# Altium PCB 模型主控V1.PcbDoc (part 2 of 2)
Units mil, origin at the board's own origin, x right, y up, seen from the top; angles counter-clockwise.
Board outline 3317.16 x 1183.54 mil, 4 copper layers (Top Layer, Mid-Layer 1, Mid-Layer 2, Bottom Layer); 121 components, 112 nets, 459 pads, 155 vias.
Unrouted connection lines stored in the file: 38.
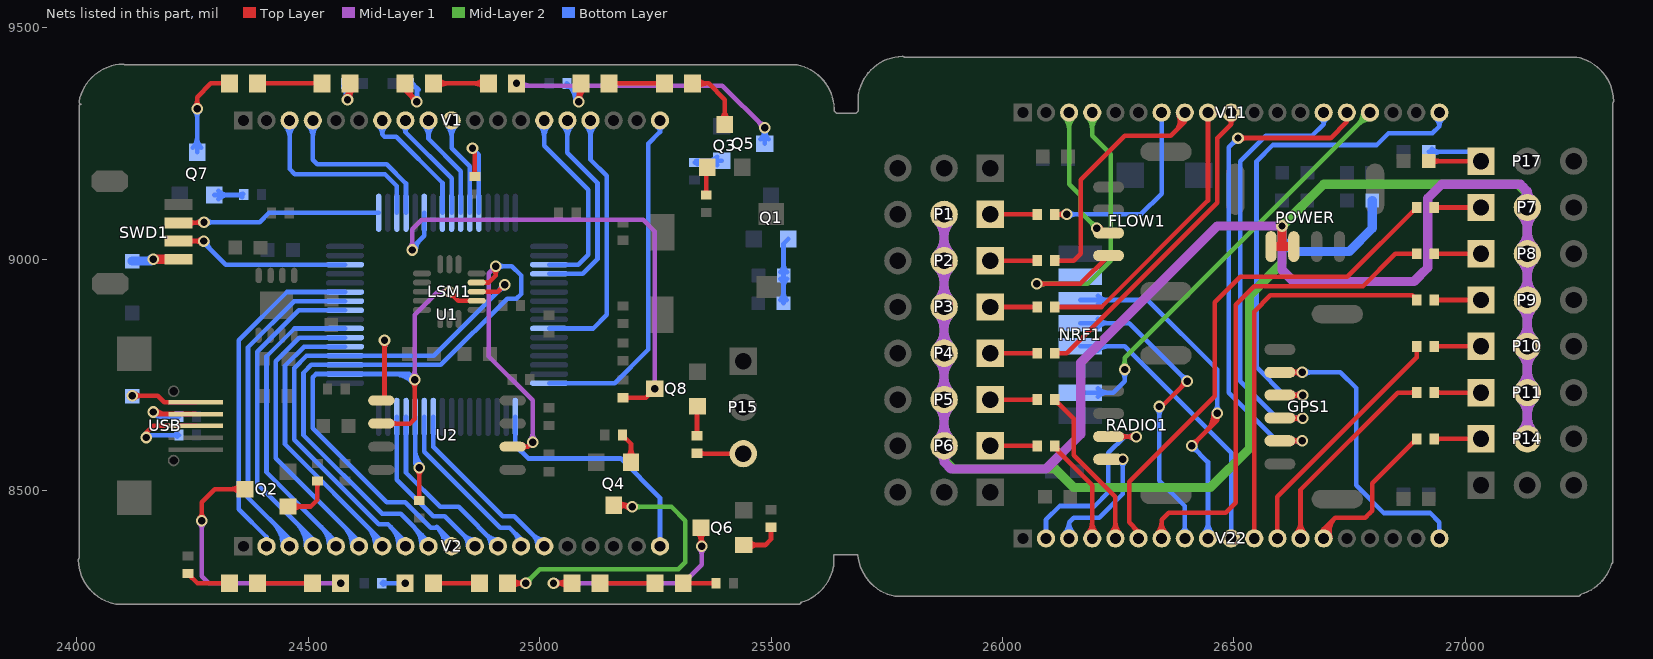
[diagram p4: the nets of this part, all layers, seen from the top]

## Via types
v1: diameter 25, hole 16, Top Layer to Bottom Layer, 147 vias
v2: diameter 78.74, hole 78.74, Top Layer to Bottom Layer, 8 vias

## Nets (pads, with @x,y where several pads share a name; then routed paths per layer and width w, separated by ;. In a path a pad name is that pad's centre, name@x,y a point inside that pad or via, vN(x,y) a via of type N, cw(c..) or ccw(c..) an arc to the next point about the centre after c; other vN are vias at no path point) (continued)
NetC24_1: C24.1 P17.1 R43.1 | length 310.1
  Top Layer w10: R43.1@26920.92,9211.9 P17.1@27033.92,9211.9 ; R43.1@26927.99,9204.83 cw(c26945.06,9187.76) 26945.06,9211.9 cw(c26945.06,9236.04) R43.1@26927.99,9218.97
  Bottom Layer w10: C24.1@26920.92,9231.9 27013.92,9231.9 P17.1@27033.92,9211.9 ; C24.1@26927.99,9224.83 cw(c26945.06,9207.76) 26945.06,9231.9 cw(c26945.06,9256.04) C24.1@26927.99,9238.97
NetCAN1_2: 
NetCAN1_3: 
NetD1_1: D1.1 USB.1 | length 172
  Top Layer w10: v1(24120,8705) 24175,8705 24188.82,8691.18 USB.1@24256.85,8691.18 ; v1@24125.3,8699.7 cw(c24138.11,8686.89) 24138.11,8705 cw(c24138.11,8723.11) v1@24125.3,8710.3
  Bottom Layer w20: D1.1@24120,8704 v1(24120,8705)
NetD2_1: D2.1 SWD1.1 | length 117.1
  Top Layer w20: v1(24165,9000) SWD1.1@24220,9000
  Bottom Layer w20: D2.1@24120,8996 24161,8996 v1(24165,9000) ; 24149.31,8996 ccw(c24149.31,9015.69) v1@24163.23,9001.77
NetDS1_1: DS1.1 R9.2 | length 98.4
  Top Layer w10: R9.2@24240,8321 24261,8300 DS1.1@24329.69,8300
NetDS1_2: DS1.2 DS2.1 | length 119.4
  Top Layer w10: DS1.2@24390.31,8300 DS2.1@24509.69,8300
NetDS2_2: DS2.2 Q2.3 | length 705.5
  Top Layer w10: v1@24264.7,8440.3 ccw(c24251.89,8453.11) 24270,8453.11 ccw(c24288.11,8453.11) v1@24275.3,8440.3 ; v1(24270,8435) 24270,8475 24298.2,8503.2 Q2.3@24363.74,8503.2 ; Q2.3@24353.76,8494.21 ccw(c24332.06,8472.5) 24332.06,8503.2 ccw(c24332.06,8533.9) Q2.3@24353.76,8512.19
  Mid-Layer 1 w10: v1@24264.7,8429.7 cw(c24251.89,8416.89) 24270,8416.89 cw(c24288.11,8416.89) v1@24275.3,8429.7 ; v1(24270,8435) 24270,8315 24285,8300 v1(24570.31,8300) ; v1@24565.01,8294.7 ccw(c24552.21,8281.89) 24552.21,8300 ccw(c24552.21,8318.11) v1@24565.01,8305.3
NetDS3_1: DS3.1 R10.2 | length 242.5
  Top Layer w10: v1@25079.7,9345.3 ccw(c25066.89,9358.11) 25085,9358.11 ccw(c25103.11,9358.11) v1@25090.3,9345.3 ; DS3.1@25080.28,9369.61 cw(c25068.87,9358.2) 25085,9358.2 ; v1@25085,9339.72 cw(c25123.6,9339.72) DS3.1@25098.38,9368.94 ; v1(25085,9340) 25085,9375.31 DS3.1@25089.69,9380
  Bottom Layer w10: R10.2@25059,9373.19 cw(c25059,9356.75) 25070.63,9368.37 ; R10.2@25059,9380 25085,9354 v1(25085,9340) ; R10.2@25062.3,9376.7 cw(c25025.59,9340) v1@25077.5,9340 ; 25079.37,9359.63 cw(c25059.74,9340) v1@25087.5,9340
NetDS3_2: DS3.2 DS4.1 | length 119.4
  Top Layer w10: DS3.2@25150.31,9380 DS4.1@25269.69,9380
NetDS4_2: DS4.2 Q3.3 | length 236.6
  Top Layer w10: DS4.2@25330.31,9380 25365,9380 25400,9345 Q3.3@25400,9291.26 ; DS4.2@25339.72,9370.59 cw(c25362.44,9347.87) 25362.44,9380 cw(c25362.44,9412.13) DS4.2@25339.72,9389.41 ; Q3.3@25391.01,9301.24 ccw(c25369.3,9322.94) 25400,9322.94 ccw(c25430.7,9322.94) Q3.3@25408.99,9301.24
NetDS5_1: DS5.1 R11.2 | length 98.4
  Bottom Layer w10: R11.2@24659,8300 v1(24710,8300) ; R11.2@24662.54,8296.46 cw(c24671.07,8287.93) 24671.07,8300 cw(c24671.07,8312.07) R11.2@24662.54,8303.54 ; v1@24704.7,8294.7 ccw(c24691.89,8281.89) 24691.89,8300 ccw(c24691.89,8318.11) v1@24704.7,8305.3
NetDS5_2: DS5.2 DS6.1 | length 99.4
  Top Layer w10: DS5.2@24770.31,8300 DS6.1@24869.69,8300
NetDS6_2: DS6.2 Q4.3 | length 870.6
  Top Layer w10: DS6.2@24930.31,8300 v1(24970,8300) ; DS6.2@24939.72,8290.59 cw(c24962.44,8267.87) 24962.44,8300 cw(c24962.44,8332.13) DS6.2@24939.72,8309.41 ; v1@24964.7,8294.7 ccw(c24951.89,8281.89) 24951.89,8300 ccw(c24951.89,8318.11) v1@24964.7,8305.3 ; Q4.3@25160,8468.74 25196.26,8468.74 v1(25200,8465) ; Q4.3@25168.99,8459.75 cw(c25190.7,8438.04) 25190.7,8468.74 cw(c25190.7,8499.44) Q4.3@25168.99,8477.73 ; Q4.3@25172.86,8468.74 cw(c25172.86,8437.86) v1@25194.7,8459.7
  Mid-Layer 2 w10: v1(24970,8300) 25000,8330 25300,8330 25315,8345 25315,8435 25285,8465 v1(25200,8465) ; v1@24970,8307.5 ccw(c24970,8325.61) 24982.8,8312.8 ccw(c24995.61,8300) v1@24977.5,8300 ; v1@25205.3,8459.7 cw(c25218.11,8446.89) 25218.11,8465 cw(c25218.11,8483.11) v1@25205.3,8470.3
NetDS7_1: DS7.1 R12.2 | length 230.3
  Top Layer w10: DS7.1@24709.69,9380 24709.69,9365.32 v1(24735,9340) ; DS7.1@24712.78,9377.86 ccw(c24730.53,9371.25) 24717.14,9357.86 ; DS7.1@24722.16,9374.37 ccw(c24746.57,9365.28) v1@24728.15,9346.85 ; v1@24727.5,9340 ccw(c24709.39,9340) 24722.2,9352.8 ccw(c24735,9365.61) v1@24735,9347.5
  Bottom Layer w10: R12.2@24719,9380 24725,9380 24735,9370 v1(24735,9340) ; R12.2@24719.43,9373.21 cw(c24721.52,9348.71) 24738.9,9366.1 ; v1@24729.7,9345.3 ccw(c24716.89,9358.11) 24735,9358.11 ccw(c24753.11,9358.11) v1@24740.3,9345.3
NetDS7_2: DS7.2 DS8.1 | length 220.3
  Top Layer w10: DS7.2@24770.31,9380 DS8.1@24889.69,9380 ; DS7.2@24779.72,9370.59 cw(c24802.44,9347.87) 24802.44,9380 cw(c24802.44,9412.13) DS7.2@24779.72,9389.41 ; DS8.1@24880.28,9370.59 ccw(c24857.56,9347.87) 24857.56,9380 ccw(c24857.56,9412.13) DS8.1@24880.28,9389.41
NetDS8_2: DS8.2 Q5.3 | length 745.5
  Mid-Layer 1 w10: v1(24950,9380) 24950,9375 25395,9375 v1(25486.26,9283.74) ; v1@24955.3,9385.3 ccw(c24980.18,9410.18) 24980.18,9375 ; v1@25478.76,9283.74 ccw(c25460.65,9283.74) 25473.46,9296.54 ccw(c25486.26,9309.35) v1@25486.26,9291.24
  Bottom Layer w10: Q5.3@25477.27,9258.99 ccw(c25455.56,9280.7) 25486.26,9280.7 ccw(c25516.96,9280.7) Q5.3@25495.25,9258.99 ; v1@25480.96,9278.44 cw(c25468.15,9265.63) 25486.26,9265.63 cw(c25504.37,9265.63) v1@25491.56,9278.44 ; Q5.3@25486.26,9250 v1(25486.26,9283.74)
NetDS9_1: DS9.1 R13.2 | length 89.6
  Top Layer w10: DS9.1@25310.31,8300 R13.2@25381,8300 ; R13.2@25377.46,8296.46 ccw(c25368.93,8287.93) 25368.93,8300 ccw(c25368.93,8312.07) R13.2@25377.46,8303.54
NetDS9_2: DS9.2 DS10.1 | length 119.4
  Top Layer w10: DS10.1@25130.31,8300 DS9.2@25249.69,8300
NetDS10_2: DS10.2 Q6.3 | length 669.2
  Top Layer w10: v1(25030,8300) DS10.2@25069.69,8300 ; v1@25035.3,8294.7 cw(c25048.11,8281.89) 25048.11,8300 cw(c25048.11,8318.11) v1@25035.3,8305.3 ; DS10.2@25060.28,8290.59 ccw(c25037.56,8267.87) 25037.56,8300 ccw(c25037.56,8332.13) DS10.2@25060.28,8309.41 ; Q6.3@25339.75,8411.01 cw(c25318.04,8389.3) 25348.74,8389.3 cw(c25379.44,8389.3) Q6.3@25357.73,8411.01 ; v1@25344.7,8385.3 ccw(c25334.94,8395.06) 25348.74,8395.06 ; 25348.74,8401.15 ccw(c25371.15,8401.15) v1@25355.3,8385.3 ; Q6.3@25348.74,8420 25348.74,8381.26 v1(25350,8380)
  Mid-Layer 1 w10: v1(25030,8300) 25310,8300 25350,8340 v1(25350,8380) ; v1@25035.3,8294.7 cw(c25048.11,8281.89) 25048.11,8300 cw(c25048.11,8318.11) v1@25035.3,8305.3 ; v1@25344.7,8374.7 cw(c25331.89,8361.89) 25350,8361.89 cw(c25368.11,8361.89) v1@25355.3,8374.7
NetDS11_1: DS11.1 R14.2 | length 180.9
  Top Layer w10: v1@24579.7,9350.3 ccw(c24554.06,9375.94) DS11.1@24590.32,9375.94 ; DS11.1@24581.72,9368.86 cw(c24566.02,9350.32) v1@24590.32,9350.32 ; DS11.1@24590.31,9380 v1@24590.31,9350.32 ; DS11.1@24598.91,9368.86 ccw(c24614.61,9350.32) v1@24590.31,9350.32
  Bottom Layer w10: R14.2@24577.46,9374.65 cw(c24568.93,9366.12) 24581,9366.12 cw(c24593.07,9366.12) R14.2@24584.54,9374.65 ; R14.2@24581,9372.76 ccw(c24612.76,9372.76) v1@24590.3,9350.3 ; R14.2@24581,9380 24581,9349 v1(24585,9345)
NetDS11_2: DS11.2 DS12.1 | length 139.4
  Top Layer w10: DS12.1@24390.31,9380 DS11.2@24529.69,9380
NetDS12_2: DS12.2 Q7.3 | length 306
  Top Layer w10: v1@24254.7,9330.3 ccw(c24241.89,9343.11) 24260,9343.11 ccw(c24278.11,9343.11) v1@24265.3,9330.3 ; v1(24260,9325) 24260,9350 24290,9380 DS12.2@24329.69,9380
  Bottom Layer w10: Q7.3@24251.01,9241.24 ccw(c24229.3,9262.94) 24260,9262.94 ccw(c24290.7,9262.94) Q7.3@24268.99,9241.24 ; v1@24254.7,9319.7 cw(c24241.89,9306.89) 24260,9306.89 cw(c24278.11,9306.89) v1@24265.3,9319.7 ; Q7.3@24260,9231.26 v1(24260,9325)
NetP1_1: P1.1 R22.2 | length 120
  Top Layer w10: P1.1@25973.92,9096.9 R22.2@26074.92,9096.9 ; R22.2@26071.38,9093.37 ccw(c26062.85,9084.83) 26062.85,9096.9 ccw(c26062.85,9108.97) R22.2@26071.38,9100.44
NetP2_1: P2.1 R23.2 | length 120
  Top Layer w10: P2.1@25973.92,8996.9 R23.2@26074.92,8996.9 ; R23.2@26071.38,8993.37 ccw(c26062.85,8984.83) 26062.85,8996.9 ccw(c26062.85,9008.97) R23.2@26071.38,9000.44
NetP3_1: P3.1 R24.2 | length 120
  Top Layer w10: P3.1@25973.92,8896.9 R24.2@26074.92,8896.9 ; R24.2@26071.38,8893.37 ccw(c26062.85,8884.83) 26062.85,8896.9 ccw(c26062.85,8908.97) R24.2@26071.38,8900.44
NetP4_1: P4.1 R28.2 | length 120
  Top Layer w10: P4.1@25973.92,8796.9 R28.2@26074.92,8796.9 ; R28.2@26071.38,8793.37 ccw(c26062.85,8784.83) 26062.85,8796.9 ccw(c26062.85,8808.97) R28.2@26071.38,8800.44
NetP5_1: P5.1 R29.2 | length 120
  Top Layer w10: P5.1@25973.92,8696.9 R29.2@26074.92,8696.9 ; R29.2@26071.38,8693.37 ccw(c26062.85,8684.83) 26062.85,8696.9 ccw(c26062.85,8708.97) R29.2@26071.38,8700.44
NetP6_1: P6.1 R30.2 | length 120
  Top Layer w10: P6.1@25973.92,8596.9 R30.2@26074.92,8596.9 ; R30.2@26071.38,8593.37 ccw(c26062.85,8584.83) 26062.85,8596.9 ccw(c26062.85,8608.97) R30.2@26071.38,8600.44
NetP7_1: P7.1 R31.2 | length 120
  Top Layer w10: R31.2@26932.92,9111.9 P7.1@27033.92,9111.9 ; R31.2@26936.45,9108.37 cw(c26944.99,9099.83) 26944.99,9111.9 cw(c26944.99,9123.97) R31.2@26936.45,9115.44
NetP8_1: P8.1 R32.2 | length 120
  Top Layer w10: R32.2@26932.92,9011.9 P8.1@27033.92,9011.9 ; R32.2@26936.45,9008.37 cw(c26944.99,8999.83) 26944.99,9011.9 cw(c26944.99,9023.97) R32.2@26936.45,9015.44
NetP9_1: P9.1 R33.2 | length 120
  Top Layer w10: R33.2@26932.92,8911.9 P9.1@27033.92,8911.9 ; R33.2@26936.45,8908.37 cw(c26944.99,8899.83) 26944.99,8911.9 cw(c26944.99,8923.97) R33.2@26936.45,8915.44
NetP10_1: P10.1 R34.2 | length 120
  Top Layer w10: R34.2@26932.92,8811.9 P10.1@27033.92,8811.9 ; R34.2@26936.45,8808.37 cw(c26944.99,8799.83) 26944.99,8811.9 cw(c26944.99,8823.97) R34.2@26936.45,8815.44
NetP11_1: P11.1 R35.2 | length 120
  Top Layer w10: R35.2@26932.92,8711.9 P11.1@27033.92,8711.9 ; R35.2@26936.45,8708.37 cw(c26944.99,8699.83) 26944.99,8711.9 cw(c26944.99,8723.97) R35.2@26936.45,8715.44
NetP14_1: P14.1 R36.2 | length 120
  Top Layer w10: R36.2@26932.92,8611.9 P14.1@27033.92,8611.9 ; R36.2@26936.45,8608.37 cw(c26944.99,8599.83) 26944.99,8611.9 cw(c26944.99,8623.97) R36.2@26936.45,8615.44
NetP15_3: P15.3 R40.2 | length 112.6
  Top Layer w10: R40.2@25340,8581 25341,8580 P15.3@25440,8580 ; R40.2@25345.35,8584.54 ccw(c25356.3,8595.49) 25356.3,8580
NetQ1_2: Q1.2 R3.1 R5.2 | length 256.8
  Bottom Layer w10: R3.1@25519.93,8912.07 ccw(c25502.86,8929.14) 25527,8929.14 ccw(c25551.14,8929.14) R3.1@25534.07,8912.07 ; R5.2@25520.43,8957.99 cw(c25504.56,8942.13) 25527,8942.13 ; R5.2@25520.43,8972.14 ccw(c25504.56,8988) 25527,8988 ; R3.1@25527,8905 25527,9033.34 Q1.2@25537.4,9043.74 ; 25527,8939.71 cw(c25552.85,8939.71) R5.2@25534.57,8957.99 ; 25527,8990.41 ccw(c25552.85,8990.41) R5.2@25534.57,8972.14
NetQ2_2: Q2.2 R16.2 | length 177.8
  Top Layer w10: Q2.2@24456.26,8465.8 24505.8,8465.8 24520,8480 R16.2@24520,8521 ; Q2.2@24466.24,8456.8 cw(c24487.94,8435.1) 24487.94,8465.8 cw(c24487.94,8496.5) Q2.2@24466.24,8474.79 ; R16.2@24516.46,8517.46 cw(c24507.93,8508.93) 24520,8508.93 cw(c24532.07,8508.93) R16.2@24523.54,8517.46
NetQ3_2: Q3.2 R17.2 | length 79.8
  Top Layer w10: R17.2@25356.46,9142.54 ccw(c25347.93,9151.07) 25360,9151.07 ccw(c25372.07,9151.07) R17.2@25363.54,9142.54 ; R17.2@25360,9139 25360,9196.14 Q3.2@25362.6,9198.74
NetQ4_2: Q4.2 R18.2 | length 114.6
  Top Layer w10: R18.2@25179,8620 25197.4,8601.6 Q4.2@25197.4,8561.26 ; Q4.2@25188.41,8571.24 ccw(c25166.7,8592.94) 25197.4,8592.94 ccw(c25228.1,8592.94) Q4.2@25206.39,8571.24
NetQ5_2: Q5.2 R19.2 | length 127.6
  Bottom Layer w10: R19.2@25335,9209 25338.6,9212.6 Q5.2@25393.74,9212.6 ; R19.2@25340.35,9205.46 cw(c25357.57,9188.24) 25357.57,9212.6 ; Q5.2@25383.76,9203.61 ccw(c25362.06,9181.9) 25362.06,9212.6 ccw(c25362.06,9243.3) Q5.2@25383.76,9221.59
NetQ6_2: Q6.2 R20.2 | length 157.1
  Top Layer w10: Q6.2@25441.26,8382.6 25487.6,8382.6 25500,8395 R20.2@25500,8421 ; Q6.2@25451.24,8373.61 cw(c25472.94,8351.9) 25472.94,8382.6 cw(c25472.94,8413.3) Q6.2@25451.24,8391.59 ; R20.2@25496.46,8417.46 cw(c25487.93,8408.93) 25500,8408.93 cw(c25512.07,8408.93) R20.2@25503.54,8417.46
NetQ7_2: Q7.2 R21.2 | length 130.7
  Bottom Layer w10: Q7.2@24297.4,9138.74 24357.74,9138.74 R21.2@24360,9141 ; Q7.2@24306.39,9129.75 cw(c24328.1,9108.04) 24328.1,9138.74 cw(c24328.1,9169.44) Q7.2@24306.39,9147.73 ; 24347.6,9138.74 cw(c24347.6,9124.79) R21.2@24357.46,9134.65 ; 24350.26,9138.74 ccw(c24350.26,9148.93) R21.2@24357.46,9141.72
NetQ8_2: Q8.2 R40.1 | length 83.1
  Top Layer w10: R40.1@25336.46,8622.54 ccw(c25327.93,8631.07) 25340,8631.07 ccw(c25352.07,8631.07) R40.1@25343.54,8622.54 ; R40.1@25340,8619 25340,8681.34 Q8.2@25341.26,8682.6
NetR1_2: R1.2 U1.28 | length 288.8
  Top Layer w10: v1@24734.7,8544.7 cw(c24721.89,8531.89) 24740,8531.89 cw(c24758.11,8531.89) v1@24745.3,8544.7 ; R1.2@24736.46,8482.54 ccw(c24727.93,8491.07) 24740,8491.07 ccw(c24752.07,8491.07) R1.2@24743.54,8482.54 ; R1.2@24740,8479 v1(24740,8550)
  Bottom Layer w10: 24731.1,8565.45 ccw(c24755.45,8565.45) v1@24738.23,8548.23 ; 24731.1,8589.59 ccw(c24779.59,8589.59) v1@24745.3,8555.3 ; U1.28@24731.1,8659.53 24731.1,8558.9 v1(24740,8550)
NetR2_2: R2.2 USB.2 | length 198.8
  Top Layer w10: v1(24165,8670) 24169.41,8665.59 USB.2@24256.85,8665.59 ; v1@24170.3,8675.3 ccw(c24193.75,8698.75) 24193.75,8665.59
  Bottom Layer w10: v1(24165,8670) 24175,8660 R2.2@24221,8660 ; R2.2@24217.46,8656.46 ccw(c24208.93,8647.93) 24208.93,8660 ccw(c24208.93,8672.07) R2.2@24217.46,8663.54
NetR4_2: R4.2 USB.3 | length 205.1
  Top Layer w10: v1@24150,8625 24165,8640 USB.3@24256.85,8640
  Bottom Layer w10: v1(24150,8615) 24155,8620 R4.2@24221,8620 ; R4.2@24217.46,8616.46 ccw(c24208.93,8607.93) 24208.93,8620 ccw(c24208.93,8632.07) R4.2@24217.46,8623.54
NetR8_2: R8.2 U1.60 | length 227.3
  Top Layer w10: v1(24855,9240) 24860,9235 R8.2@24860,9179 ; R8.2@24856.46,9182.54 ccw(c24847.93,9191.07) 24860,9191.07 ccw(c24872.07,9191.07) R8.2@24863.54,9182.54
  Bottom Layer w10: v1(24855,9240) 24868.9,9226.1 24868.9,9150 U1.60@24868.9,9100.47
NRF_CE: NRF1.2 U1.10 V1.16 V11.16 | length 1693.6
  Mid-Layer 2 w10: v1@26258.61,8767.2 ccw(c26245.81,8780.01) 26263.92,8780.01 ccw(c26282.02,8780.01) v1@26269.22,8767.2 ; v1(26263.92,8761.9) 26263.92,8786.9 V11.16@26793.92,9316.9 ; V11.16@26779.23,9316.9 cw(c26743.78,9316.9) 26768.85,9291.83 cw(c26793.92,9266.76) V11.16@26793.92,9302.22
  Bottom Layer w10: U1.10@25020.47,8850.47 25115.47,8850.47 25145,8880 25145,9180 25110,9215 V1.16@25110,9300 ; V1.16@25099.62,9289.62 cw(c25074.55,9264.55) 25110,9264.55 cw(c25145.45,9264.55) V1.16@25120.38,9289.62 ; NRF1.2@26167.92,8711.9 26238.92,8711.9 26263.92,8736.9 v1(26263.92,8761.9) ; NRF1.2@26206.44,8702.91 cw(c26228.14,8681.2) 26228.14,8711.9 cw(c26228.14,8742.6) NRF1.2@26206.44,8720.89 ; v1@26258.61,8756.6 cw(c26245.81,8743.79) 26263.92,8743.79 cw(c26282.02,8743.79) v1@26269.22,8756.6
NRF_IRQ: NRF1.7
POWER: 
PWM1: R22.1 U1.56 V1.7 V11.7 | length 811
  Top Layer w10: R22.1@26112.92,9096.9 v1(26138.92,9096.9) ; R22.1@26116.45,9093.37 cw(c26124.99,9084.83) 26124.99,9096.9 cw(c26124.99,9108.97) R22.1@26116.45,9100.44 ; v1@26133.61,9091.6 ccw(c26120.81,9078.79) 26120.81,9096.9 ccw(c26120.81,9115.01) v1@26133.61,9102.2
  Bottom Layer w10: V1.7@24650.99,9288.4 cw(c24636.7,9270) 24660,9270 ; V1.7@24660,9300 24660,9270 ; V1.7@24669.01,9288.4 ccw(c24683.3,9270) 24660,9270 ; U1.56@24790.16,9100.47 24790.16,9164.84 24690,9265 24665,9265 24660,9270 ; v1(26138.92,9096.9) 26298.92,9096.9 26343.92,9141.9 V11.7@26343.92,9316.9 ; v1@26144.22,9091.6 cw(c26157.02,9078.79) 26157.02,9096.9 cw(c26157.02,9115.01) v1@26144.22,9102.2
PWM2: R23.1 U1.57 V1.8 V11.8 | length 875.4
  Top Layer w10: R23.1@26112.92,8996.9 26153.92,8996.9 26168.92,9011.9 26168.92,9171.9 26263.92,9266.9 26363.92,9266.9 26393.92,9296.9 V11.8@26393.92,9316.9 ; R23.1@26116.45,8993.37 cw(c26124.99,8984.83) 26124.99,8996.9 cw(c26124.99,9008.97) R23.1@26116.45,9000.44 ; 26373.92,9276.9 ccw(c26352.03,9298.78) V11.8@26380.44,9311.07 ; 26384.32,9287.31 ccw(c26366.56,9305.07) V11.8@26389.62,9315.04
  Bottom Layer w10: V1.8@24702.85,9287.17 cw(c24696.06,9275) 24710,9275 ; V1.8@24710,9300 24710,9275 ; V1.8@24717.15,9287.17 ccw(c24723.94,9275) 24710,9275 ; U1.57@24809.84,9100.47 24809.84,9175.16 24710,9275
PWM3: R36.1 U1.26 V2.14 V22.14 | length 888.2
  Top Layer w10: V22.14@26688.79,8395.49 cw(c26710.71,8401.54) 26694.63,8417.62 ; V22.14@26693.92,8396.9 26693.92,8416.9 26718.92,8441.9 ; V22.14@26698.43,8398.15 cw(c26729.74,8406.79) 26706.77,8429.76 ; V22.14@26708.07,8400.81 cw(c26748.77,8412.05) 26718.91,8441.9 ; R36.1@26894.92,8611.9 26798.92,8515.9 26798.92,8456.9 26793.92,8451.9 26783.92,8441.9 26718.92,8441.9
  Bottom Layer w10: U1.26@24770.47,8659.53 24770.47,8594.53 24920,8445 24945,8445 V2.14@25010,8380 ; V2.14@24995.32,8380 ccw(c24959.86,8380) 24984.93,8405.07 ccw(c25010,8430.14) V2.14@25010,8394.68
PWM4: R35.1 U1.27 V2.13 V22.13 | length 934.2
  Top Layer w10: V22.13@26633.53,8407.28 ccw(c26608.46,8432.35) 26643.92,8432.35 ccw(c26679.37,8432.35) V22.13@26654.3,8407.28 ; V22.13@26643.92,8396.9 26643.92,8501.9 26853.92,8711.9 R35.1@26894.92,8711.9 R35.1@26894.92,8707.9 ; R35.1@26891.38,8708.37 ccw(c26882.85,8699.83) 26882.85,8711.9 ccw(c26882.85,8723.97) R35.1@26891.38,8715.44
  Bottom Layer w10: U1.27@24750.79,8659.53 24750.79,8584.21 24915,8420 24920,8420 24935,8420 24960,8395 V2.13@24960,8380 ; 24943.32,8411.68 cw(c24914.18,8382.55) V2.13@24955.32,8380.26
PWM5: R24.1 U1.58 V1.9 V11.9 | length 919.2
  Top Layer w10: R24.1@26112.92,8896.9 26213.92,8896.9 26443.92,9126.9 V11.9@26443.92,9316.9 ; R24.1@26116.45,8893.37 cw(c26124.99,8884.83) 26124.99,8896.9 cw(c26124.99,8908.97) R24.1@26116.45,8900.44
  Bottom Layer w10: V1.9@24749.62,9289.62 cw(c24724.55,9264.55) 24760,9264.55 cw(c24795.45,9264.55) V1.9@24770.38,9289.62 ; V1.9@24760,9300 24760,9260 24829.53,9190.47 U1.58@24829.53,9100.47
PWM6: R28.1 U1.59 V1.10 V11.10 | length 1013.1
  Top Layer w10: R28.1@26112.92,8796.9 26138.92,8796.9 26463.92,9121.9 26463.92,9261.9 26493.92,9291.9 ; R28.1@26116.45,8793.37 cw(c26124.99,8784.83) 26124.99,8796.9 cw(c26124.99,8808.97) R28.1@26116.45,8800.44 ; V11.10@26486.77,9304.07 cw(c26479.98,9291.9) 26493.92,9291.9 ; V11.10@26493.92,9316.9 26493.92,9291.9 ; V11.10@26501.07,9304.07 ccw(c26507.85,9291.9) 26493.92,9291.9
  Bottom Layer w10: V1.10@24799.62,9289.62 cw(c24774.55,9264.55) 24810,9264.55 cw(c24845.45,9264.55) V1.10@24820.38,9289.62 ; V1.10@24810,9300 24810,9240 24849.21,9200.79 U1.59@24849.21,9100.47
PWM7: R34.1 U1.29 V2.12 V22.12 | length 999.5
  Top Layer w10: V22.12@26593.92,8396.9 26593.92,8486.9 26894.92,8787.9 R34.1@26894.92,8811.9 ; R34.1@26891.38,8806.55 cw(c26882.85,8798.02) 26894.92,8798.02 cw(c26906.99,8798.02) R34.1@26898.45,8806.55
  Bottom Layer w10: U1.29@24711.42,8659.53 24711.42,8538.58 24785,8465 24825,8465 V2.12@24910,8380 ; V2.12@24895.32,8380 ccw(c24859.86,8380) 24884.93,8405.07 ccw(c24910,8430.14) V2.12@24910,8394.68
PWM8: R33.1 U1.30 V2.11 V22.11 | length 1279.2
  Top Layer w10: V22.11@26543.92,8396.9 26543.92,8886.9 26578.92,8921.9 26884.92,8921.9 R33.1@26894.92,8911.9
  Bottom Layer w10: U1.30@24691.73,8659.53 24691.73,8523.27 24770,8445 24795,8445 V2.11@24860,8380 ; V2.11@24845.32,8380 ccw(c24809.86,8380) 24834.93,8405.07 ccw(c24860,8430.14) V2.11@24860,8394.68
PWM9: R30.1 U1.41 V2.4 V22.4 | length 1092.9
  Top Layer w10: R30.1@26112.92,8596.9 26112.92,8592.9 26193.92,8511.9 V22.4@26193.92,8396.9 ; R30.1@26117.92,8595.09 ccw(c26135.27,8595.09) 26123,8582.82 ; V22.4@26183.53,8407.28 ccw(c26158.46,8432.35) 26193.92,8432.35 ccw(c26229.37,8432.35) V22.4@26204.3,8407.28
  Bottom Layer w10: 24474.32,8430.68 cw(c24423.65,8380) V2.4@24495.31,8380 ; 24491.4,8413.6 cw(c24457.79,8380) V2.4@24505.31,8380 ; V2.4@24510,8380 24510,8395 24390,8515 24390,8800 24479.84,8889.84 U1.41@24579.53,8889.84
PWM10: R32.1 U1.37 V2.7 V22.7 | length 1852.7
  Top Layer w10: V22.7@26333.53,8407.28 ccw(c26308.46,8432.35) 26343.92,8432.35 ccw(c26379.37,8432.35) V22.7@26354.3,8407.28 ; V22.7@26343.92,8396.9 26343.92,8436.9 26359.51,8452.5 26482.5,8452.5 26503.92,8473.92 26503.92,8901.9 26543.92,8941.9 26778.92,8941.9 26848.92,9011.9 R32.1@26894.92,9011.9 ; R32.1@26891.38,9008.37 ccw(c26882.85,8999.83) 26882.85,9011.9 ccw(c26882.85,9023.97) R32.1@26891.38,9015.44
  Bottom Layer w10: U1.37@24579.53,8811.1 24491.1,8811.1 24450,8770 24450,8600 24660,8390 V2.7@24660,8380 ; 24627.86,8422.14 cw(c24585.72,8380) V2.7@24645.31,8380 ; 24644.93,8405.07 cw(c24619.86,8380) V2.7@24655.32,8380
PWM11: R31.1 U1.38 V2.6 V22.6 | length 1866.1
  Top Layer w10: 26280.26,8425.56 cw(c26257.46,8402.76) V22.6@26289.29,8397.64 ; V22.6@26293.92,8396.9 26293.92,8411.9 26273.92,8431.9 26273.92,8518.92 26458.92,8703.92 26458.92,8906.9 26513.92,8961.9 26744.92,8961.9 R31.1@26894.92,9111.9
  Bottom Layer w10: 24577.86,8422.14 cw(c24535.72,8380) V2.6@24595.31,8380 ; U1.38@24579.53,8830.79 24480.79,8830.79 24430,8780 24430,8570 24610,8390 V2.6@24610,8380 ; 24594.93,8405.07 cw(c24569.86,8380) V2.6@24605.32,8380
PWM12: R29.1 U1.39 V2.5 V22.5 | length 1164.2
  Top Layer w10: R29.1@26112.92,8690.09 cw(c26112.92,8673.65) 26124.54,8685.27 ; R29.1@26112.92,8696.9 26153.92,8655.9 26153.92,8576.9 26243.92,8486.9 V22.5@26243.92,8396.9 ; V22.5@26233.53,8407.28 ccw(c26208.46,8432.35) 26243.92,8432.35 ccw(c26279.37,8432.35) V22.5@26254.3,8407.28
  Bottom Layer w10: 24527.86,8422.14 cw(c24485.72,8380) V2.5@24545.31,8380 ; 24544.93,8405.07 cw(c24519.86,8380) V2.5@24555.32,8380 ; V2.5@24560,8380 24560,8390 24410,8540 24410,8790 24470.47,8850.47 U1.39@24579.53,8850.47
SBUS: Q8.3 R39.1 U1.54 | length 1223.1
  Top Layer w10: R39.1@25180,8701 25229.74,8701 v1(25248.74,8720) ; R39.1@25185.35,8697.46 cw(c25193.88,8688.93) 25193.88,8701 cw(c25193.88,8713.07) R39.1@25185.35,8704.54 ; Q8.3@25241.24,8720 cw(c25223.13,8720) 25235.94,8707.2 cw(c25248.74,8694.39) Q8.3@25248.74,8712.5
  Mid-Layer 1 w10: v1@24719.7,9025.3 ccw(c24706.89,9038.11) 24725,9038.11 ccw(c24743.11,9038.11) v1@24730.3,9025.3 ; v1(24725,9020) 24725,9065 24745,9085 25223.74,9085 25248.74,9060 v1(25248.74,8720) ; v1@25243.44,8725.3 ccw(c25230.63,8738.11) 25248.74,8738.11 ccw(c25266.85,8738.11) v1@25254.04,8725.3
  Bottom Layer w10: v1(24725,9020) 24725,9025 24750.79,9050.79 U1.54@24750.79,9100.47 ; v1@24732.5,9020 cw(c24762.68,9020) 24741.34,9041.34
SCL_B: GPS1.4 U1.3 V1.14 V11.14 | length 1522.4
  Top Layer w10: GPS1.4@26599.35,8656.9 v1(26648.92,8656.9) ; GPS1.4@26625.8,8651.95 cw(c26637.75,8640) 26637.75,8656.9 cw(c26637.75,8673.8) GPS1.4@26625.8,8661.85 ; v1@26643.61,8651.6 ccw(c26630.81,8638.79) 26630.81,8656.9 ccw(c26630.81,8675.01) v1@26643.61,8662.2
  Bottom Layer w10: V1.14@24999.62,9289.62 cw(c24974.55,9264.55) 25010,9264.55 cw(c25045.45,9264.55) V1.14@25020.38,9289.62 ; V1.14@25010,9300 25010,9245 25105,9150 25105,9010 25083.27,8988.27 U1.3@25020.47,8988.27 ; v1@26643.61,8651.6 ccw(c26630.81,8638.79) 26630.81,8656.9 ccw(c26630.81,8675.01) v1@26643.61,8662.2 ; v1(26648.92,8656.9) 26593.92,8656.9 26513.92,8736.9 26513.92,9211.9 26568.69,9266.67 26668.69,9266.67 26693.92,9291.9 ; V11.14@26686.77,9304.07 cw(c26679.98,9291.9) 26693.92,9291.9 ; V11.14@26693.92,9316.9 26693.92,9291.9 ; V11.14@26701.07,9304.07 ccw(c26707.85,9291.9) 26693.92,9291.9
SCLK_FC: SWD1.3 U1.49 | length 524.1
  Top Layer w10: SWD1.3@24220,9078.74 24273.74,9078.74 v1(24275,9080) ; SWD1.3@24243.52,9073.92 cw(c24255.14,9062.3) 24255.14,9078.74 cw(c24255.14,9095.18) SWD1.3@24243.52,9083.56 ; 24253.85,9078.74 ccw(c24253.85,9101.15) v1@24269.7,9085.3 ; 24259.93,9078.74 cw(c24259.93,9064.93) v1@24269.7,9074.7
  Bottom Layer w10: v1(24275,9080) 24395,9080 24415.47,9100.47 U1.49@24652.36,9100.47 ; v1@24280.3,9074.7 cw(c24293.11,9061.89) 24293.11,9080 cw(c24293.11,9098.11) v1@24280.3,9085.3
SDA_B: GPS1.5 U1.4 V1.15 V11.15 | length 1718.9
  Top Layer w10: v1(26508.92,9261.9) 26708.92,9261.9 26743.92,9296.9 V11.15@26743.92,9316.9 ; v1@26514.22,9256.6 cw(c26527.02,9243.79) 26527.02,9261.9 cw(c26527.02,9280.01) v1@26514.22,9267.2 ; GPS1.5@26599.35,8607.9 v1(26647.92,8607.9) ; GPS1.5@26625.8,8602.95 cw(c26637.75,8591) 26637.75,8607.9 cw(c26637.75,8624.8) GPS1.5@26625.8,8612.85 ; v1@26642.61,8602.6 ccw(c26629.81,8589.79) 26629.81,8607.9 ccw(c26629.81,8626.01) v1@26642.61,8613.2
  Bottom Layer w10: U1.4@25020.47,8968.58 25093.58,8968.58 25125,9000 25125,9165 25060,9230 V1.15@25060,9300 ; V1.15@25049.62,9289.62 cw(c25024.55,9264.55) 25060,9264.55 cw(c25095.45,9264.55) V1.15@25070.38,9289.62 ; v1@26501.42,9261.9 cw(c26483.31,9261.9) 26496.11,9249.1 cw(c26508.92,9236.29) v1@26508.92,9254.4 ; v1(26508.92,9261.9) 26488.92,9241.9 26488.92,8711.9 26592.92,8607.9 v1(26647.92,8607.9) ; v1@26642.61,8602.6 ccw(c26629.81,8589.79) 26629.81,8607.9 ccw(c26629.81,8626.01) v1@26642.61,8613.2
SPI2_CK: LSM1.2 NRF1.4 U1.34 U2.6 V2.10 V22.10 | length 2152.3
  Top Layer w10: U2.6@24658.27,8645 24720,8645 24730,8655 v1(24730,8740) ; U2.6@24680.1,8640.88 cw(c24690.05,8630.93) 24690.05,8645 cw(c24690.05,8659.07) U2.6@24680.1,8649.12 ; v1@24724.7,8734.7 cw(c24711.89,8721.89) 24730,8721.89 cw(c24748.11,8721.89) v1@24735.3,8734.7 ; v1@24805,8922.5 cw(c24805,8904.39) 24817.8,8917.2 cw(c24830.61,8930) v1@24812.5,8930 ; v1(24805,8930) 24824.69,8910.32 LSM1.2@24864.06,8910.32
  Mid-Layer 1 w10: v1@24724.7,8745.3 ccw(c24711.89,8758.11) 24730,8758.11 ccw(c24748.11,8758.11) v1@24735.3,8745.3 ; v1(24730,8740) 24730,8880 24780,8930 v1(24805,8930) ; v1@24799.7,8924.7 ccw(c24786.89,8911.89) 24786.89,8930 ccw(c24786.89,8948.11) v1@24799.7,8935.3
  Bottom Layer w10: 24682.81,8752.05 cw(c24682.81,8692.81) v1@24724.7,8734.7 ; 24706.95,8752.05 cw(c24706.95,8716.95) v1@24731.77,8741.77 ; 24710,8475 24765.18,8419.82 24780.18,8419.82 24810,8390 V2.10@24810,8380 ; 24710,8475.03 24669.97,8475.03 24510,8635 24510,8745 24517.05,8752.05 U1.34@24579.53,8752.05 24717.95,8752.05 v1(24730,8740) ; 24777.86,8422.14 cw(c24735.72,8380) V2.10@24795.31,8380 ; 24794.93,8405.07 cw(c24769.86,8380) V2.10@24805.32,8380 ; NRF1.4@26167.92,8811.9 26263.92,8811.9 26493.92,8581.9 26493.92,8461.9 V22.10@26493.92,8396.9 ; NRF1.4@26206.44,8802.91 cw(c26228.14,8781.2) 26228.14,8811.9 cw(c26228.14,8842.6) NRF1.4@26206.44,8820.89
SPI2_SI: LSM1.3 NRF1.5 U1.36 U2.5 V2.8 V22.8 | length 2255.7
  Top Layer w10: U2.5@24658.27,8695 24665,8701.73 v1(24665,8825) ; v1@24659.7,8819.7 cw(c24646.89,8806.89) 24665,8806.89 cw(c24683.11,8806.89) v1@24670.3,8819.7 ; LSM1.3@24864.06,8930 24910,8930 v1(24925,8945) ; v1(26338.92,8681.9) 26343.92,8681.9 v1(26398.92,8736.9) ; v1@26391.42,8736.9 cw(c26373.31,8736.9) 26386.11,8724.1 cw(c26398.92,8711.29) v1@26398.92,8729.4
  Bottom Layer w10: v1@24659.7,8819.7 cw(c24646.89,8806.89) 24665,8806.89 cw(c24683.11,8806.89) v1@24670.3,8819.7 ; v1(24665,8825) 24665,8791.42 ; 24677.86,8422.14 cw(c24635.72,8380) V2.8@24695.31,8380 ; 24694.93,8405.07 cw(c24669.86,8380) V2.8@24705.32,8380 ; V2.8@24710,8380 24710,8390 24672.5,8427.5 24652.5,8427.5 24470,8610 24470,8765 24496.42,8791.42 U1.36@24579.53,8791.42 24665,8791.42 ; v1@24917.5,8945 cw(c24899.39,8945) 24912.2,8932.2 cw(c24925,8919.39) v1@24925,8937.5 ; v1(24925,8945) 24771.42,8791.42 24665,8791.42 ; NRF1.5@26167.92,8861.9 26273.92,8861.9 26378.92,8756.9 v1(26398.92,8736.9) ; NRF1.5@26206.44,8852.91 cw(c26228.14,8831.2) 26228.14,8861.9 cw(c26228.14,8892.6) NRF1.5@26206.44,8870.89 ; v1@26333.61,8676.6 cw(c26320.81,8663.79) 26338.92,8663.79 cw(c26357.02,8663.79) v1@26344.22,8676.6 ; v1(26338.92,8681.9) 26338.92,8521.9 26393.92,8466.9 26393.92,8421.9 ; V22.8@26386.77,8409.73 ccw(c26379.98,8421.9) 26393.92,8421.9 ; v1@26391.42,8736.9 ccw(c26373.31,8736.9) 26386.11,8749.7 ccw(c26398.92,8762.51) v1@26398.92,8744.4 ; V22.8@26393.92,8396.9 26393.92,8421.9 ; V22.8@26401.07,8409.73 cw(c26407.85,8421.9) 26393.92,8421.9
SPI2_SO: LSM1.4 NRF1.6 U1.35 U2.2 V2.9 V22.9 | length 2892.3
  Top Layer w10: LSM1.4@24864.06,8949.69 24889.69,8949.69 24905,8965 v1(24905,8985) ; v1@24899.7,8979.7 cw(c24886.89,8966.89) 24905,8966.89 cw(c24923.11,8966.89) v1@24910.3,8979.7 ; U2.2@24941.73,8595 24975,8595 v1(24985,8605) ; U2.2@24963.57,8590.88 cw(c24973.52,8580.93) 24973.52,8595 cw(c24973.52,8609.07) U2.2@24963.57,8599.12 ; v1(26408.92,8596.9) 26463.92,8651.9 v1(26463.92,8666.9) ; v1@26408.92,8604.4 ccw(c26408.92,8622.51) 26421.72,8609.7 ccw(c26434.52,8596.9) v1@26416.42,8596.9 ; 26440.51,8628.49 ccw(c26402.1,8666.9) v1@26456.42,8666.9 ; 26457.58,8645.56 ccw(c26436.24,8666.9) v1@26466.42,8666.9
  Mid-Layer 1 w10: v1(24905,8985) 24890,8970 24890,8790 24985,8695 v1(24985,8605) ; v1@24979.7,8610.3 ccw(c24966.89,8623.11) 24985,8623.11 ccw(c25003.11,8623.11) v1@24990.3,8610.3
  Bottom Layer w10: 24727.86,8422.14 cw(c24685.72,8380) V2.9@24745.31,8380 ; 24744.93,8405.07 cw(c24719.86,8380) V2.9@24755.32,8380 ; V2.9@24760,8380 24760,8390 24699.64,8450.36 24659.64,8450.36 24490,8620 24490,8755 24506.73,8771.73 U1.35@24579.53,8771.73 24786.73,8771.73 24930,8915 24950,8915 24960,8925 24960,8965 24940,8985 v1(24905,8985) ; v1@24910.3,8979.7 cw(c24923.11,8966.89) 24923.11,8985 cw(c24923.11,9003.11) v1@24910.3,8990.3 ; NRF1.6@26167.92,8911.9 26313.92,8911.9 26463.92,8761.9 v1(26463.92,8666.9) ; NRF1.6@26206.44,8902.91 cw(c26228.14,8881.2) 26228.14,8911.9 cw(c26228.14,8942.6) NRF1.6@26206.44,8920.89 ; v1@26408.92,8589.4 cw(c26408.92,8571.29) 26421.72,8584.1 cw(c26434.52,8596.9) v1@26416.42,8596.9 ; v1(26408.92,8596.9) 26443.92,8561.9 V22.9@26443.92,8396.9 ; V22.9@26433.53,8407.28 ccw(c26408.46,8432.35) 26443.92,8432.35 ccw(c26479.37,8432.35) V22.9@26454.3,8407.28 ; v1@26458.61,8672.2 ccw(c26445.81,8685.01) 26463.92,8685.01 ccw(c26482.02,8685.01) v1@26469.22,8672.2
SWD_FC: SWD1.2 U1.46 | length 458.5
  Top Layer w10: SWD1.2@24220,9039.37 v1(24274.37,9039.37) ; SWD1.2@24243.52,9034.55 cw(c24255.14,9022.93) 24255.14,9039.37 cw(c24255.14,9055.81) SWD1.2@24243.52,9044.19 ; v1@24269.07,9034.07 ccw(c24256.26,9021.26) 24256.26,9039.37 ccw(c24256.26,9057.48) v1@24269.07,9044.67
  Bottom Layer w10: v1(24274.37,9039.37) 24274.37,9035.63 24321.73,8988.27 U1.46@24579.53,8988.27 ; v1@24281.87,9039.37 ccw(c24309.01,9039.37) 24289.82,9020.18
UART1_R_1: RADIO1.3 U1.43 V2.2 V22.2 | length 1244.9
  Top Layer w10: RADIO1.3@26229.35,8616.9 v1(26288.92,8616.9) ; RADIO1.3@26255.8,8611.95 cw(c26267.75,8600) 26267.75,8616.9 cw(c26267.75,8633.8) RADIO1.3@26255.8,8621.85 ; v1@26283.61,8611.6 ccw(c26270.81,8598.79) 26270.81,8616.9 ccw(c26270.81,8635.01) v1@26283.61,8622.2
  Bottom Layer w10: V2.2@24410,8380 24410,8400 24350,8460 24350,8825 24454.21,8929.21 U1.43@24579.53,8929.21 ; V22.2@26093.92,8396.9 26093.92,8436.9 26123.92,8466.9 26198.92,8466.9 26228.92,8496.9 26228.92,8581.9 26263.92,8616.9 v1(26288.92,8616.9) ; v1@26283.61,8611.6 ccw(c26270.81,8598.79) 26270.81,8616.9 ccw(c26270.81,8635.01) v1@26283.61,8622.2
UART1_T_1: RADIO1.4 U1.42 V2.3 V22.3 | length 1205
  Top Layer w10: RADIO1.4@26229.35,8567.9 v1(26259.92,8567.9) ; RADIO1.4@26254.61,8562.6 ccw(c26241.81,8549.79) 26241.81,8567.9 ccw(c26241.81,8586.01) RADIO1.4@26254.61,8573.2
  Bottom Layer w10: 24424.32,8430.68 cw(c24373.65,8380) V2.3@24445.31,8380 ; 24441.4,8413.6 cw(c24407.79,8380) V2.3@24455.31,8380 ; V2.3@24460,8380 24460,8395 24370,8485 24370,8810 24469.53,8909.53 U1.42@24579.53,8909.53 ; V22.3@26133.63,8407.38 ccw(c26109.55,8431.9) 26143.92,8431.9 ; V22.3@26143.92,8396.9 26143.92,8431.9 ; V22.3@26154.2,8407.38 cw(c26178.28,8431.9) 26143.92,8431.9 ; v1@26254.61,8562.6 cw(c26241.81,8549.79) 26259.92,8549.79 cw(c26278.02,8549.79) v1@26265.22,8562.6 ; v1(26259.92,8567.9) 26259.92,8492.9 26208.92,8441.9 26153.92,8441.9 26143.92,8431.9
UART2_R_1: GPS1.2 U1.17 V2.19 V22.19 | length 1246.2
  Top Layer w10: GPS1.2@26599.35,8755.72 v1(26647.74,8755.72) ; GPS1.2@26625.8,8750.77 cw(c26637.75,8738.82) 26637.75,8755.72 cw(c26637.75,8772.62) GPS1.2@26625.8,8760.67 ; v1@26642.43,8750.42 ccw(c26629.63,8737.61) 26629.63,8755.72 ccw(c26629.63,8773.83) v1@26642.43,8761.02
  Bottom Layer w10: U1.17@24947.64,8659.53 24947.64,8597.36 24975.32,8569.68 25175.32,8569.68 25260,8485 V2.19@25260,8380 ; v1(26647.74,8755.72) 26693.92,8755.72 26730.1,8755.72 26763.92,8721.9 26763.92,8511.9 26823.92,8451.9 26833.92,8451.9 26923.92,8451.9 26943.92,8431.9 V22.19@26943.92,8396.9 ; v1@26653.04,8750.42 cw(c26665.84,8737.61) 26665.84,8755.72 cw(c26665.84,8773.83) v1@26653.04,8761.02
UART2_T_1: GPS1.3 U1.16 V1.19 V11.19 | length 1980.5
  Top Layer w10: GPS1.3@26599.35,8706.51 v1(26648.52,8706.51) ; GPS1.3@26625.8,8701.56 cw(c26637.75,8689.61) 26637.75,8706.51 cw(c26637.75,8723.41) GPS1.3@26625.8,8711.46 ; v1@26643.22,8701.2 ccw(c26630.42,8688.4) 26630.42,8706.51 ccw(c26630.42,8724.61) v1@26643.22,8711.81
  Bottom Layer w10: U1.16@25020.47,8732.36 25162.36,8732.36 25235,8805 25235,9250 25260,9275 ; V1.19@25252.85,9287.17 cw(c25246.06,9275) 25260,9275 ; V1.19@25260,9300 25260,9275 ; V1.19@25267.15,9287.17 ccw(c25273.94,9275) 25260,9275 ; v1@26643.22,8701.2 ccw(c26630.42,8688.4) 26630.42,8706.51 ccw(c26630.42,8724.61) v1@26643.22,8711.81 ; v1(26648.52,8706.51) 26608.92,8706.51 26548.92,8766.51 26548.92,9211.9 26583.92,9246.9 26808.92,9246.9 26833.92,9271.9 26928.92,9271.9 26943.92,9286.9 ; V11.19@26934.91,9305.3 cw(c26920.62,9286.9) 26943.92,9286.9 ; V11.19@26943.92,9316.9 26943.92,9286.9 ; V11.19@26952.92,9305.3 ccw(c26967.21,9286.9) 26943.92,9286.9
UART4_R_1: FLOW1.4 U1.52 V1.4 V11.4 | length 1237.1
  Top Layer w10: v1(26073.92,8946.9) 26168.35,8946.9 FLOW1.4@26229.35,9007.9 ; v1@26079.22,8941.6 cw(c26092.02,8928.79) 26092.02,8946.9 cw(c26092.02,8965.01) v1@26079.22,8952.2
  Mid-Layer 2 w10: v1(26073.92,8946.9) 26183.92,8946.9 26233.92,8996.9 26233.92,9126.9 26233.92,9226.9 26193.92,9266.9 V11.4@26193.92,9316.9 ; v1@26079.22,8941.6 cw(c26092.02,8928.79) 26092.02,8946.9 cw(c26092.02,8965.01) v1@26079.22,8952.2 ; V11.4@26183.53,9306.52 cw(c26158.46,9281.45) 26193.92,9281.45 cw(c26229.37,9281.45) V11.4@26204.3,9306.52
  Bottom Layer w10: V1.4@24499.62,9289.62 cw(c24474.55,9264.55) 24510,9264.55 cw(c24545.45,9264.55) V1.4@24520.38,9289.62 ; V1.4@24510,9300 24510,9215 24520,9205 24670,9205 24711.42,9163.58 U1.52@24711.42,9100.47
UART4_T_1: FLOW1.3 U1.51 V1.3 V11.3 | length 894.9
  Top Layer w10: FLOW1.3@26201.58,9066.01 ccw(c26214.82,9071.07) FLOW1.3@26214.82,9056.9 ; v1(26203.92,9066.9) 26213.92,9056.9 FLOW1.3@26229.35,9056.9 cw(c26229.35,9076.63) v1@26210.92,9069.58
  Mid-Layer 2 w10: V11.3@26133.53,9306.52 cw(c26108.46,9281.45) 26143.92,9281.45 cw(c26179.37,9281.45) V11.3@26154.3,9306.52 ; V11.3@26143.92,9316.9 26143.92,9161.9 26168.92,9136.9 26168.92,9101.9 v1(26203.92,9066.9) ; v1@26196.42,9066.9 ccw(c26178.31,9066.9) 26191.11,9079.7 ccw(c26203.92,9092.51) v1@26203.92,9074.4
  Bottom Layer w10: V1.3@24449.62,9289.62 cw(c24424.55,9264.55) 24460,9264.55 cw(c24495.45,9264.55) V1.3@24470.38,9289.62 ; V1.3@24460,9300 24460,9195 24471.01,9183.99 24666.01,9183.99 24691.73,9158.27 U1.51@24691.73,9100.47
VCC_DJ: P1.2 P2.2 P3.2 P4.2 P5.2 P6.2 P7.2 P8.2 P9.2 P10.2 P11.2 P14.2 POWER.1 POWER.2 R25.2 | length 9413.3
  Top Layer w20: POWER.1@26580.1,9027.33 26603.92,9027.33 ; v1(26603.92,9071.9) 26603.92,9027.33 ; POWER.2@26629.31,9027.33 26603.92,9027.33
  Mid-Layer 1 w20: P6.2@25860.11,8610.71 ccw(c25826.77,8644.04) 25873.92,8644.04 ccw(c25921.06,8644.04) P6.2@25887.72,8610.71 ; P5.2@25860.11,8683.09 cw(c25826.77,8649.76) 25873.92,8649.76 cw(c25921.06,8649.76) P5.2@25887.72,8683.09 ; P5.2@25860.11,8710.71 ccw(c25826.77,8744.04) 25873.92,8744.04 ccw(c25921.06,8744.04) P5.2@25887.72,8710.71 ; P4.2@25860.11,8783.09 cw(c25826.77,8749.76) 25873.92,8749.76 cw(c25921.06,8749.76) P4.2@25887.72,8783.09 ; P4.2@25860.11,8810.71 ccw(c25826.77,8844.04) 25873.92,8844.04 ccw(c25921.06,8844.04) P4.2@25887.72,8810.71 ; P3.2@25860.11,8883.09 cw(c25826.77,8849.76) 25873.92,8849.76 cw(c25921.06,8849.76) P3.2@25887.72,8883.09 ; P3.2@25860.11,8910.71 ccw(c25826.77,8944.04) 25873.92,8944.04 ccw(c25921.06,8944.04) P3.2@25887.72,8910.71 ; P2.2@25860.11,8983.09 cw(c25826.77,8949.76) 25873.92,8949.76 cw(c25921.06,8949.76) P2.2@25887.72,8983.09 ; P2.2@25860.11,9010.71 ccw(c25826.77,9044.04) 25873.92,9044.04 ccw(c25921.06,9044.04) P2.2@25887.72,9010.71 ; P1.2@25860.11,9083.09 cw(c25826.77,9049.76) 25873.92,9049.76 cw(c25921.06,9049.76) P1.2@25887.72,9083.09 ; P1.2@25873.92,9096.9 P2.2@25873.92,8996.9 P3.2@25873.92,8896.9 P4.2@25873.92,8796.9 P5.2@25873.92,8696.9 P6.2@25873.92,8596.9 25873.92,8561.9 ; 26903.92,8966.9 26918.92,8981.9 ; P14.2@27120.11,8625.71 ccw(c27086.77,8659.04) 27133.92,8659.04 ccw(c27181.06,8659.04) P14.2@27147.72,8625.71 ; P11.2@27120.11,8698.09 cw(c27086.77,8664.76) 27133.92,8664.76 cw(c27181.06,8664.76) P11.2@27147.72,8698.09 ; P11.2@27120.11,8725.71 ccw(c27086.77,8759.04) 27133.92,8759.04 ccw(c27181.06,8759.04) P11.2@27147.72,8725.71 ; P10.2@27120.11,8798.09 cw(c27086.77,8764.76) 27133.92,8764.76 cw(c27181.06,8764.76) P10.2@27147.72,8798.09 ; P10.2@27120.11,8825.71 ccw(c27086.77,8859.04) 27133.92,8859.04 ccw(c27181.06,8859.04) P10.2@27147.72,8825.71 ; P9.2@27120.11,8898.09 cw(c27086.77,8864.76) 27133.92,8864.76 cw(c27181.06,8864.76) P9.2@27147.72,8898.09 ; P9.2@27120.11,8925.71 ccw(c27086.77,8959.04) 27133.92,8959.04 ccw(c27181.06,8959.04) P9.2@27147.72,8925.71 ; P8.2@27120.11,8998.09 cw(c27086.77,8964.76) 27133.92,8964.76 cw(c27181.06,8964.76) P8.2@27147.72,8998.09 ; P8.2@27120.11,9025.71 ccw(c27086.77,9059.04) 27133.92,9059.04 ccw(c27181.06,9059.04) P8.2@27147.72,9025.71 ; P7.2@27120.11,9098.09 cw(c27086.77,9064.76) 27133.92,9064.76 cw(c27181.06,9064.76) P7.2@27147.72,9098.09 ; P7.2@27123.66,9128.52 ccw(c27112.32,9146.9) 27133.92,9146.9 ; 27124,9156.81 cw(c27093.2,9126.01) P7.2@27134.36,9111.75 ; P14.2@27133.92,8611.9 P11.2@27133.92,8711.9 P10.2@27133.92,8811.9 P9.2@27133.92,8911.9 P8.2@27133.92,9011.9 P7.2@27133.92,9111.9 27133.92,9146.9 ; P7.2@27144.17,9128.52 cw(c27155.52,9146.9) 27133.92,9146.9 ; 25873.92,8561.9 cw(c25895.52,8561.9) 25884.17,8580.28 ccw(c25895.52,8561.9) 25873.92,8561.9 ; 25873.92,8561.9 ccw(c25852.32,8561.9) 25863.66,8580.28 cw(c25852.32,8561.9) 25873.92,8561.9 ; 25873.92,8561.9 25888.92,8546.9 26093.92,8546.9 26168.92,8621.9 26168.92,8776.9 26463.92,9071.9 v1(26603.92,9071.9) 26603.92,8976.9 26628.92,8951.9 26888.92,8951.9 26918.92,8981.9 ; 26918.92,8981.9 26918.92,9131.9 26948.92,9161.9 27118.92,9161.9 27133.92,9146.9
  Mid-Layer 2 w20: P6.2@25860.11,8610.71 ccw(c25826.77,8644.04) 25873.92,8644.04 ccw(c25921.06,8644.04) P6.2@25887.72,8610.71 ; P5.2@25860.11,8683.09 cw(c25826.77,8649.76) 25873.92,8649.76 cw(c25921.06,8649.76) P5.2@25887.72,8683.09 ; P5.2@25860.11,8710.71 ccw(c25826.77,8744.04) 25873.92,8744.04 ccw(c25921.06,8744.04) P5.2@25887.72,8710.71 ; P4.2@25860.11,8783.09 cw(c25826.77,8749.76) 25873.92,8749.76 cw(c25921.06,8749.76) P4.2@25887.72,8783.09 ; P4.2@25860.11,8810.71 ccw(c25826.77,8844.04) 25873.92,8844.04 ccw(c25921.06,8844.04) P4.2@25887.72,8810.71 ; P3.2@25860.11,8883.09 cw(c25826.77,8849.76) 25873.92,8849.76 cw(c25921.06,8849.76) P3.2@25887.72,8883.09 ; P3.2@25860.11,8910.71 ccw(c25826.77,8944.04) 25873.92,8944.04 ccw(c25921.06,8944.04) P3.2@25887.72,8910.71 ; P2.2@25860.11,8983.09 cw(c25826.77,8949.76) 25873.92,8949.76 cw(c25921.06,8949.76) P2.2@25887.72,8983.09 ; P2.2@25860.11,9010.71 ccw(c25826.77,9044.04) 25873.92,9044.04 ccw(c25921.06,9044.04) P2.2@25887.72,9010.71 ; P1.2@25860.11,9083.09 cw(c25826.77,9049.76) 25873.92,9049.76 cw(c25921.06,9049.76) P1.2@25887.72,9083.09 ; P1.2@25873.92,9096.9 P2.2@25873.92,8996.9 P3.2@25873.92,8896.9 P4.2@25873.92,8796.9 P5.2@25873.92,8696.9 P6.2@25873.92,8596.9 25873.92,8566.9 25893.92,8546.9 26113.92,8546.9 26153.92,8506.9 26448.92,8506.9 26533.92,8591.9 26533.92,8921.9 26588.92,8976.9 26603.92,8991.9 v1(26603.92,9071.9) 26693.92,9161.9 27113.92,9161.9 27133.92,9141.9 P7.2@27133.92,9111.9 P8.2@27133.92,9011.9 P9.2@27133.92,8911.9 P10.2@27133.92,8811.9 P11.2@27133.92,8711.9 P14.2@27133.92,8611.9 ; P14.2@27120.11,8625.71 ccw(c27086.77,8659.04) 27133.92,8659.04 ccw(c27181.06,8659.04) P14.2@27147.72,8625.71 ; P11.2@27120.11,8698.09 cw(c27086.77,8664.76) 27133.92,8664.76 cw(c27181.06,8664.76) P11.2@27147.72,8698.09 ; P11.2@27120.11,8725.71 ccw(c27086.77,8759.04) 27133.92,8759.04 ccw(c27181.06,8759.04) P11.2@27147.72,8725.71 ; P10.2@27120.11,8798.09 cw(c27086.77,8764.76) 27133.92,8764.76 cw(c27181.06,8764.76) P10.2@27147.72,8798.09 ; P10.2@27120.11,8825.71 ccw(c27086.77,8859.04) 27133.92,8859.04 ccw(c27181.06,8859.04) P10.2@27147.72,8825.71 ; P9.2@27120.11,8898.09 cw(c27086.77,8864.76) 27133.92,8864.76 cw(c27181.06,8864.76) P9.2@27147.72,8898.09 ; P9.2@27120.11,8925.71 ccw(c27086.77,8959.04) 27133.92,8959.04 ccw(c27181.06,8959.04) P9.2@27147.72,8925.71 ; P8.2@27120.11,8998.09 cw(c27086.77,8964.76) 27133.92,8964.76 cw(c27181.06,8964.76) P8.2@27147.72,8998.09 ; P8.2@27120.11,9025.71 ccw(c27086.77,9059.04) 27133.92,9059.04 ccw(c27181.06,9059.04) P8.2@27147.72,9025.71 ; P7.2@27120.11,9098.09 cw(c27086.77,9064.76) 27133.92,9064.76 cw(c27181.06,9064.76) P7.2@27147.72,9098.09 ; 27123.46,9152.35 cw(c27093.71,9122.6) P7.2@27134.37,9111.78
  Bottom Layer w20: v1(26603.92,9071.9) 26603.92,9041.9 26628.92,9016.9 26748.92,9016.9 26798.92,9066.9 R25.2@26798.92,9126.9
pads on no net: FLOW1.GND GPS1.GND LSM1.6 LSM1.7 LSM1.14 POWER.GND RADIO1.GND SWD1.A SWD1.B U1.14 U1.40 USB. USB.4 USB.MH1 USB.MH2
copper on no net:
  other v2: 24100,8345 25550,8345 25783.92,8361.9 27233.92,8361.9 24100,9325 25550,9325 25783.92,9341.9 27233.92,9341.9

## Polygon pours and split planes (outlines as drawn)
GND on Bottom Layer "Top Layer-No Net" (solid, remove dead copper, pour order 1000): 23965.9,9493.73 23979.51,9478.73 25635.46,9478.73 25635.46,8193.73 25640,8188.73 25608.24,8223.73 23952.29,8223.73
GND on Bottom Layer "Top Layer-No Net" (solid, remove dead copper): 25649.14,9431.52 25649.14,8236.52 25644.14,8231.52 25654.14,8221.52 27329.14,8221.52 27329.14,9411.52
GND on Top Layer "Top Layer-No Net" (solid, remove dead copper, pour order 1001): 23958.33,9475.32 23958.33,8240.32 23953.33,8235.32 23973.33,8255.32 25623.33,8255.32 25623.33,9470.32 25583.33,9510.32
GND on Top Layer "Top Layer-No Net" (solid, remove dead copper): 25653.92,9441.9 25658.92,9436.9 25658.92,8261.9 27328.92,8261.9 27373.92,8306.9 27423.92,8356.9 27423.92,9461.9

## Keep-outs
Keep-Out Layer:
  lines w10: 24008.39,8349.96 ccw(c24102.5,8352.5) 24085,8260 25560,8260 ; 24010,8335 24010,9330 ; 24010,9340 cw(c24102.5,9322.5) 24099.96,9416.61 ; 24095,9415 25555,9415 cw(c25537.5,9322.5) 25631.61,9325.04 25631.61,9318.39 25640,9310 25685,9310 25693.92,9318.92 25693.92,9356.9 cw(c25786.42,9339.4) 25783.87,9433.51 ; 25540,8260 ccw(c25537.46,8354.11) 25629.96,8336.61 25629.96,8364.96 25631.86,8366.86 25692.31,8366.86 ccw(c25786.42,8369.4) 25768.92,8276.9 27243.92,8276.9 ; 25778.92,9431.9 27238.92,9431.9 cw(c27221.42,9339.4) 27315.52,9341.94 ; 27223.92,8276.9 ccw(c27221.37,8371.01) 27313.87,8353.51 ; 27313.92,8346.9 27313.92,9336.9 ; 25630,8420 25630,9265 25690,9265 25690,8420 25630,8420

## Silkscreen, mask and mechanical layers (free items; w line width, h text height)
Top Overlay:
  text "OLDX_ROBOT_PWM_CAP V1.0" at 26180,9375 h40
  text "5V" at 26005,9365 h60
  text "-+S" at 25830,9260 h60
  text "5V" at 24330,9210 h40
  text "OLDX_ROBOT_CONTROLLER V1.0" at 24425,9210 h40
  text "+DC-" at 24280,9155 h40 r90
  text "DC 5V GND" at 26528.92,8931.9 h60
  text "-" at 24345,8425 h40
  text "s+-" at 27100,8420 h60
Bottom Overlay:
  text "S+G" at 25540,8630 h40 r90

## Text inside footprints (layer, text, board x,y; h text height)
BEEP?: Top Overlay "+" at 25456,8901 h40 r90